# Altium PCB PCB5.PcbDoc (part 9 of 16) (continued)
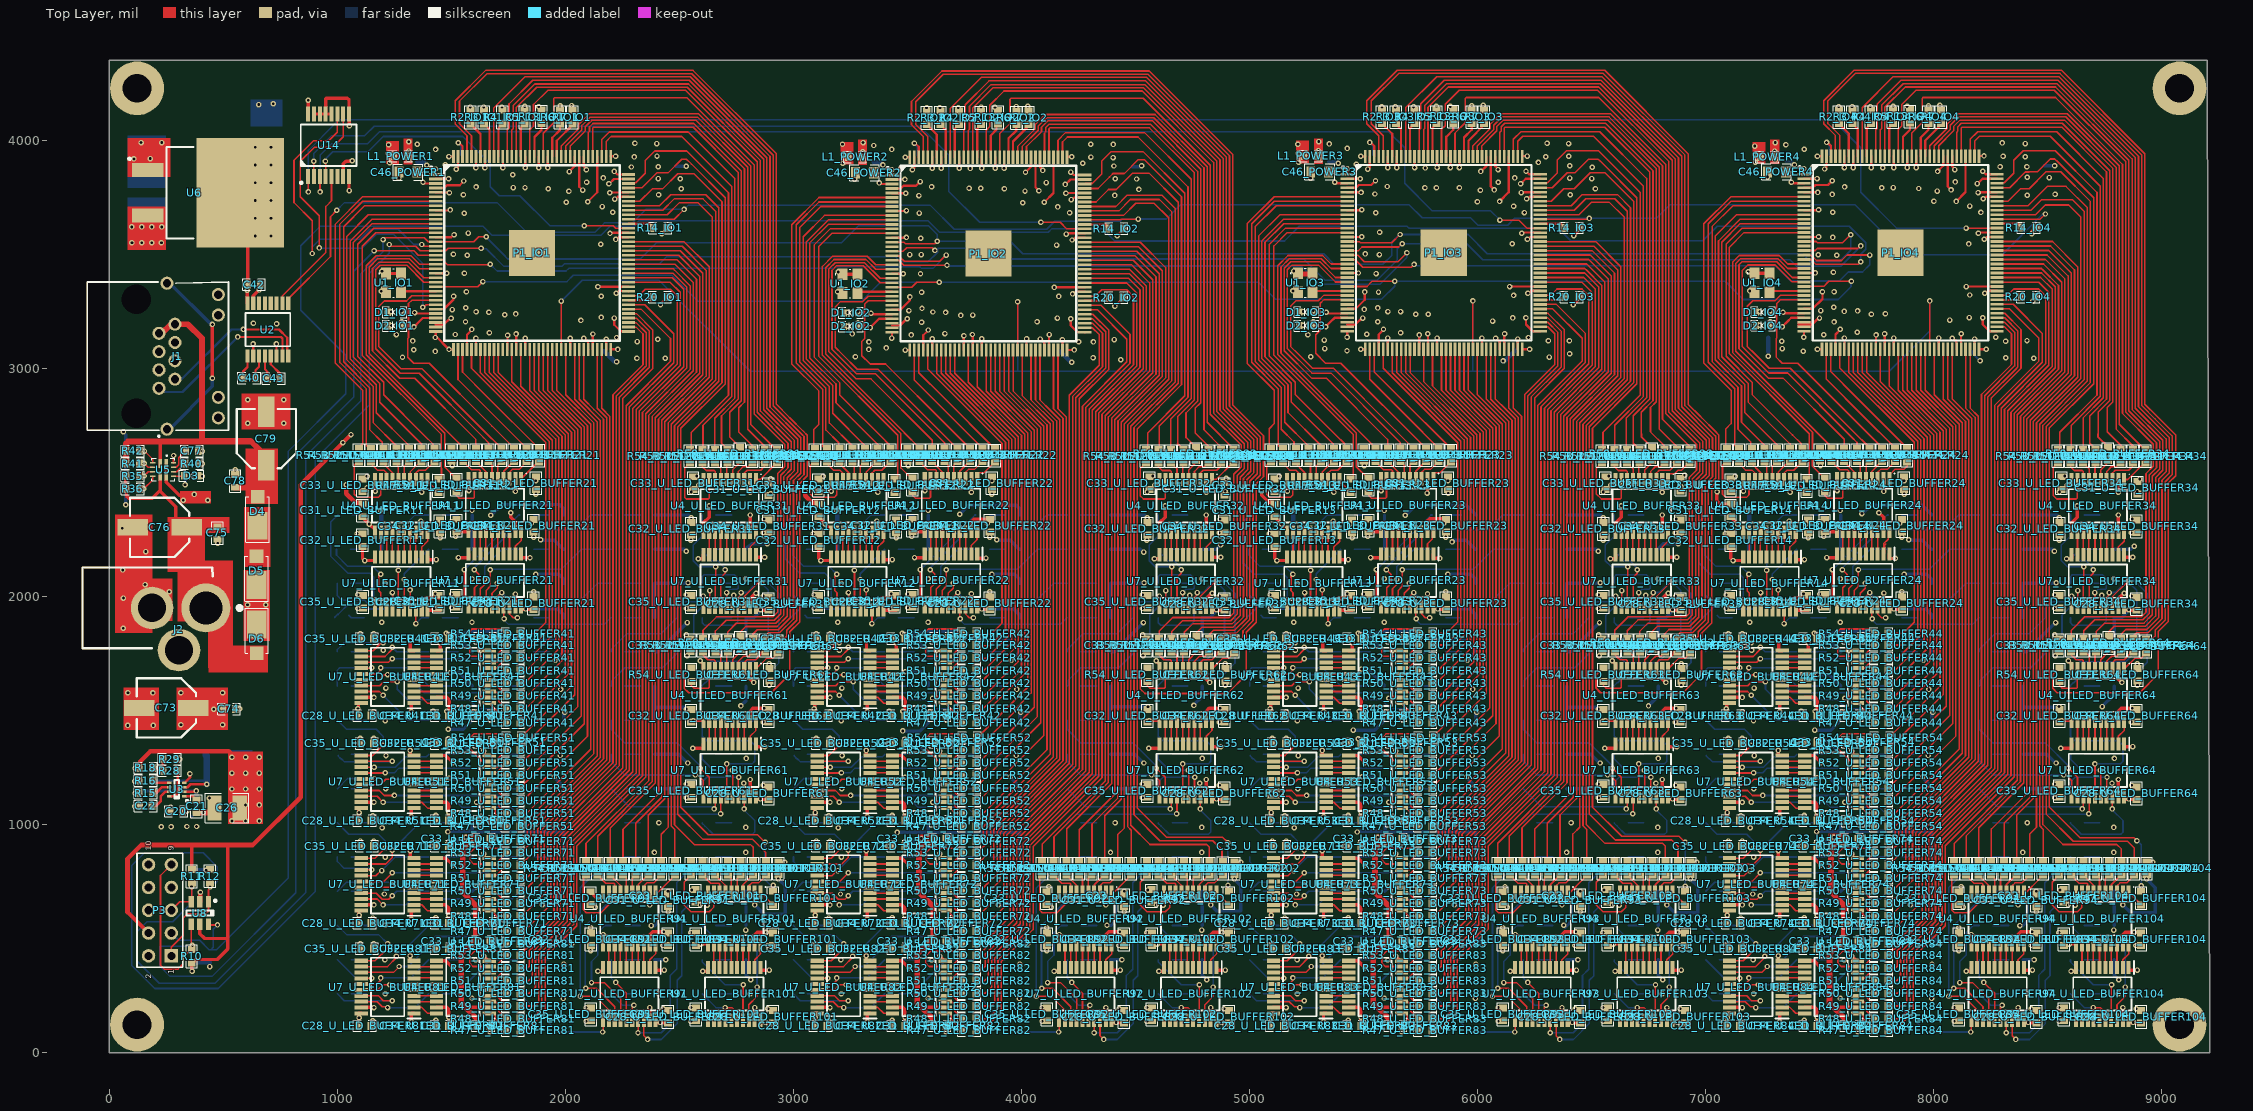
[diagram p0: Top Layer view]
## Nets (pads, with @x,y where several pads share a name; then routed paths per layer and width w, separated by ;. In a path a pad name is that pad's centre, name@x,y a point inside that pad or via, vN(x,y) a via of type N, cw(c..) or ccw(c..) an arc to the next point about the centre after c; other vN are vias at no path point) (continued)
L_OUT4_U_LED_BUFFER43: R22_U_LED_BUFFER43.2 U7_U_LED_BUFFER43.15 | length 335.9
  Top Layer w7: U7_U_LED_BUFFER43.15@5104.96,1659.96 5173.43,1659.96 v1@5190.63,1677.16
  Bottom Layer w7: v1(5190.63,1687.16) 5320.63,1687.16 R22_U_LED_BUFFER43.2@5400.63,1607.16
L_OUT4_U_LED_BUFFER44: R22_U_LED_BUFFER44.2 U7_U_LED_BUFFER44.15 | length 335.9
  Top Layer w7: U7_U_LED_BUFFER44.15@7104.96,1659.96 7173.43,1659.96 v1@7190.63,1677.16
  Bottom Layer w7: v1(7190.63,1687.16) 7320.63,1687.16 R22_U_LED_BUFFER44.2@7400.63,1607.16
L_OUT4_U_LED_BUFFER51: R22_U_LED_BUFFER51.2 U7_U_LED_BUFFER51.15 | length 238.5
  Top Layer w7: U7_U_LED_BUFFER51.15@1104.96,1199.96 1161.37,1199.96 v1(1162.99,1201.57)
  Bottom Layer w7: R22_U_LED_BUFFER51.2@1000.63,1157.16 1045.04,1201.57 v1@1162.03,1201.57
L_OUT4_U_LED_BUFFER52: R22_U_LED_BUFFER52.2 U7_U_LED_BUFFER52.15 | length 238.5
  Top Layer w7: U7_U_LED_BUFFER52.15@3104.96,1199.96 3161.37,1199.96 v1(3162.99,1201.57)
  Bottom Layer w7: R22_U_LED_BUFFER52.2@3000.63,1157.16 3045.04,1201.57 v1@3162.03,1201.57
L_OUT4_U_LED_BUFFER53: R22_U_LED_BUFFER53.2 U7_U_LED_BUFFER53.15 | length 238.5
  Top Layer w7: U7_U_LED_BUFFER53.15@5104.96,1199.96 5161.37,1199.96 v1(5162.99,1201.57)
  Bottom Layer w7: R22_U_LED_BUFFER53.2@5000.63,1157.16 5045.04,1201.57 v1@5162.03,1201.57
L_OUT4_U_LED_BUFFER54: R22_U_LED_BUFFER54.2 U7_U_LED_BUFFER54.15 | length 238.5
  Top Layer w7: U7_U_LED_BUFFER54.15@7104.96,1199.96 7161.37,1199.96 v1(7162.99,1201.57)
  Bottom Layer w7: R22_U_LED_BUFFER54.2@7000.63,1157.16 7045.04,1201.57 v1@7162.03,1201.57
L_OUT4_U_LED_BUFFER61: R22_U_LED_BUFFER61.2 U7_U_LED_BUFFER61.15 | length 662.1
  Top Layer w7: U7_U_LED_BUFFER61.15@2707.84,1121.5 2707.84,1265.38 v1(2707.65,1265.56) 2709.26,1267.16 v1@2710.63,1267.16
  Bottom Layer w7: R22_U_LED_BUFFER61.2@2600.63,1457.16 2600.63,1387.16 2620.63,1367.16 2810.63,1367.16 2830.63,1347.16 2830.63,1277.16 2819.03,1265.56 v1(2707.65,1265.56)
L_OUT4_U_LED_BUFFER62: R22_U_LED_BUFFER62.2 U7_U_LED_BUFFER62.15 | length 662.1
  Top Layer w7: U7_U_LED_BUFFER62.15@4707.84,1121.5 4707.84,1265.38 v1(4707.65,1265.56) 4709.26,1267.16 v1@4710.63,1267.16
  Bottom Layer w7: R22_U_LED_BUFFER62.2@4600.63,1457.16 4600.63,1387.16 4620.63,1367.16 4810.63,1367.16 4830.63,1347.16 4830.63,1277.16 4819.03,1265.56 v1(4707.65,1265.56)
L_OUT4_U_LED_BUFFER63: R22_U_LED_BUFFER63.2 U7_U_LED_BUFFER63.15 | length 662.1
  Top Layer w7: U7_U_LED_BUFFER63.15@6707.84,1121.5 6707.84,1265.38 v1(6707.65,1265.56) 6709.26,1267.16 v1@6710.63,1267.16
  Bottom Layer w7: R22_U_LED_BUFFER63.2@6600.63,1457.16 6600.63,1387.16 6620.63,1367.16 6810.63,1367.16 6830.63,1347.16 6830.63,1277.16 6819.03,1265.56 v1(6707.65,1265.56)
L_OUT4_U_LED_BUFFER64: R22_U_LED_BUFFER64.2 U7_U_LED_BUFFER64.15 | length 662.1
  Top Layer w7: U7_U_LED_BUFFER64.15@8707.84,1121.5 8707.84,1265.38 v1(8707.65,1265.56) 8709.26,1267.16 v1@8710.63,1267.16
  Bottom Layer w7: R22_U_LED_BUFFER64.2@8600.63,1457.16 8600.63,1387.16 8620.63,1367.16 8810.63,1367.16 8830.63,1347.16 8830.63,1277.16 8819.03,1265.56 v1(8707.65,1265.56)
L_OUT4_U_LED_BUFFER71: R22_U_LED_BUFFER71.2 U7_U_LED_BUFFER71.15 | length 739.6
  Top Layer w7: U7_U_LED_BUFFER71.15@1104.96,749.96 1203.43,749.96 v1@1240.63,787.16
  Bottom Layer w7: v1(1240.56,788.4) 1241.31,789.15 1662.62,789.15 1730.63,857.16 R22_U_LED_BUFFER71.2@1800.63,857.16
L_OUT4_U_LED_BUFFER72: R22_U_LED_BUFFER72.2 U7_U_LED_BUFFER72.15 | length 739.6
  Top Layer w7: U7_U_LED_BUFFER72.15@3104.96,749.96 3203.43,749.96 v1@3240.63,787.16
  Bottom Layer w7: v1(3240.56,788.4) 3241.31,789.15 3662.62,789.15 3730.63,857.16 R22_U_LED_BUFFER72.2@3800.63,857.16
L_OUT4_U_LED_BUFFER73: R22_U_LED_BUFFER73.2 U7_U_LED_BUFFER73.15 | length 739.6
  Top Layer w7: U7_U_LED_BUFFER73.15@5104.96,749.96 5203.43,749.96 v1@5240.63,787.16
  Bottom Layer w7: v1(5240.56,788.4) 5241.31,789.15 5662.62,789.15 5730.63,857.16 R22_U_LED_BUFFER73.2@5800.63,857.16
L_OUT4_U_LED_BUFFER74: R22_U_LED_BUFFER74.2 U7_U_LED_BUFFER74.15 | length 739.6
  Top Layer w7: U7_U_LED_BUFFER74.15@7104.96,749.96 7203.43,749.96 v1@7240.63,787.16
  Bottom Layer w7: v1(7240.56,788.4) 7241.31,789.15 7662.62,789.15 7730.63,857.16 R22_U_LED_BUFFER74.2@7800.63,857.16
L_OUT4_U_LED_BUFFER81: R22_U_LED_BUFFER81.2 U7_U_LED_BUFFER81.15 | length 345.9
  Top Layer w7: U7_U_LED_BUFFER81.15@1104.96,299.96 1173.43,299.96 1190.63,317.16 v1(1190.63,327.16)
  Bottom Layer w7: v1(1190.63,327.16) 1320.63,327.16 R22_U_LED_BUFFER81.2@1400.63,407.16
L_OUT4_U_LED_BUFFER82: R22_U_LED_BUFFER82.2 U7_U_LED_BUFFER82.15 | length 345.9
  Top Layer w7: U7_U_LED_BUFFER82.15@3104.96,299.96 3173.43,299.96 3190.63,317.16 v1(3190.63,327.16)
  Bottom Layer w7: v1(3190.63,327.16) 3320.63,327.16 R22_U_LED_BUFFER82.2@3400.63,407.16
L_OUT4_U_LED_BUFFER83: R22_U_LED_BUFFER83.2 U7_U_LED_BUFFER83.15 | length 345.9
  Top Layer w7: U7_U_LED_BUFFER83.15@5104.96,299.96 5173.43,299.96 5190.63,317.16 v1(5190.63,327.16)
  Bottom Layer w7: v1(5190.63,327.16) 5320.63,327.16 R22_U_LED_BUFFER83.2@5400.63,407.16
L_OUT4_U_LED_BUFFER84: R22_U_LED_BUFFER84.2 U7_U_LED_BUFFER84.15 | length 345.9
  Top Layer w7: U7_U_LED_BUFFER84.15@7104.96,299.96 7173.43,299.96 7190.63,317.16 v1(7190.63,327.16)
  Bottom Layer w7: v1(7190.63,327.16) 7320.63,327.16 R22_U_LED_BUFFER84.2@7400.63,407.16
L_OUT4_U_LED_BUFFER91: R22_U_LED_BUFFER91.2 U7_U_LED_BUFFER91.15 | length 293.5
  Top Layer w7: v1(2220.63,307.16) 2267.84,259.96 U7_U_LED_BUFFER91.15@2267.84,141.5
  Bottom Layer w7: R22_U_LED_BUFFER91.2@2200.63,407.16 2200.63,327.16 v1(2220.63,307.16)
L_OUT4_U_LED_BUFFER92: R22_U_LED_BUFFER92.2 U7_U_LED_BUFFER92.15 | length 293.5
  Top Layer w7: v1(4220.63,307.16) 4267.84,259.96 U7_U_LED_BUFFER92.15@4267.84,141.5
  Bottom Layer w7: R22_U_LED_BUFFER92.2@4200.63,407.16 4200.63,327.16 v1(4220.63,307.16)
L_OUT4_U_LED_BUFFER93: R22_U_LED_BUFFER93.2 U7_U_LED_BUFFER93.15 | length 293.5
  Top Layer w7: v1(6220.63,307.16) 6267.84,259.96 U7_U_LED_BUFFER93.15@6267.84,141.5
  Bottom Layer w7: R22_U_LED_BUFFER93.2@6200.63,407.16 6200.63,327.16 v1(6220.63,307.16)
L_OUT4_U_LED_BUFFER94: R22_U_LED_BUFFER94.2 U7_U_LED_BUFFER94.15 | length 293.5
  Top Layer w7: v1(8220.63,307.16) 8267.84,259.96 U7_U_LED_BUFFER94.15@8267.84,141.5
  Bottom Layer w7: R22_U_LED_BUFFER94.2@8200.63,407.16 8200.63,327.16 v1(8220.63,307.16)
L_OUT4_U_LED_BUFFER101: U7_U_LED_BUFFER101.15
L_OUT4_U_LED_BUFFER102: U7_U_LED_BUFFER102.15
L_OUT4_U_LED_BUFFER103: U7_U_LED_BUFFER103.15
L_OUT4_U_LED_BUFFER104: U7_U_LED_BUFFER104.15
L_OUT5_U_LED_BUFFER11: R26_U_LED_BUFFER11.2 U7_U_LED_BUFFER11.14 | length 421.3
  Top Layer w7: v1(1241.59,2016.95) 1242.3,2016.25 U7_U_LED_BUFFER11.14@1242.3,1941.81
  Bottom Layer w7: R26_U_LED_BUFFER11.2@989.33,1906.72 989.33,1909.22 1000.83,1920.72 1003.33,1920.72 1052.28,1969.66 1099.95,1969.66 1113.13,1956.48 1124.84,1944.77 1213.57,1944.77 1241.59,1972.8 v1(1241.59,2016.95)
L_OUT5_U_LED_BUFFER12: R26_U_LED_BUFFER12.2 U7_U_LED_BUFFER12.14 | length 421.3
  Top Layer w7: v1(3241.59,2016.95) 3242.3,2016.25 U7_U_LED_BUFFER12.14@3242.3,1941.81
  Bottom Layer w7: R26_U_LED_BUFFER12.2@2989.33,1906.72 2989.33,1909.22 3000.83,1920.72 3003.33,1920.72 3052.28,1969.66 3099.95,1969.66 3113.13,1956.48 3124.84,1944.77 3213.57,1944.77 3241.59,1972.8 v1(3241.59,2016.95)
L_OUT5_U_LED_BUFFER13: R26_U_LED_BUFFER13.2 U7_U_LED_BUFFER13.14 | length 421.3
  Top Layer w7: v1(5241.59,2016.95) 5242.3,2016.25 U7_U_LED_BUFFER13.14@5242.3,1941.81
  Bottom Layer w7: R26_U_LED_BUFFER13.2@4989.33,1906.72 4989.33,1909.22 5000.83,1920.72 5003.33,1920.72 5052.28,1969.66 5099.95,1969.66 5113.13,1956.48 5124.84,1944.77 5213.57,1944.77 5241.59,1972.8 v1(5241.59,2016.95)
L_OUT5_U_LED_BUFFER14: R26_U_LED_BUFFER14.2 U7_U_LED_BUFFER14.14 | length 421.3
  Top Layer w7: v1(7241.59,2016.95) 7242.3,2016.25 U7_U_LED_BUFFER14.14@7242.3,1941.81
  Bottom Layer w7: R26_U_LED_BUFFER14.2@6989.33,1906.72 6989.33,1909.22 7000.83,1920.72 7003.33,1920.72 7052.28,1969.66 7099.95,1969.66 7113.13,1956.48 7124.84,1944.77 7213.57,1944.77 7241.59,1972.8 v1(7241.59,2016.95)
L_OUT5_U_LED_BUFFER21: R26_U_LED_BUFFER21.2 U7_U_LED_BUFFER21.14 | length 737
  Top Layer w7: U7_U_LED_BUFFER21.14@1652.84,1954.83 1652.84,2026.32 1670.63,2044.11 v1(1670.63,2117.16)
  Bottom Layer w7: v1(1670.63,2117.16) 1673.5,2120.03 1983.5,2120.03 2070.63,2207.16 R26_U_LED_BUFFER21.2@2200.63,2207.16
L_OUT5_U_LED_BUFFER22: R26_U_LED_BUFFER22.2 U7_U_LED_BUFFER22.14 | length 737
  Top Layer w7: U7_U_LED_BUFFER22.14@3652.84,1954.83 3652.84,2026.32 3670.63,2044.11 v1(3670.63,2117.16)
  Bottom Layer w7: v1(3670.63,2117.16) 3673.5,2120.03 3983.5,2120.03 4070.63,2207.16 R26_U_LED_BUFFER22.2@4200.63,2207.16
L_OUT5_U_LED_BUFFER23: R26_U_LED_BUFFER23.2 U7_U_LED_BUFFER23.14 | length 737
  Top Layer w7: U7_U_LED_BUFFER23.14@5652.84,1954.83 5652.84,2026.32 5670.63,2044.11 v1(5670.63,2117.16)
  Bottom Layer w7: v1(5670.63,2117.16) 5673.5,2120.03 5983.5,2120.03 6070.63,2207.16 R26_U_LED_BUFFER23.2@6200.63,2207.16
L_OUT5_U_LED_BUFFER24: R26_U_LED_BUFFER24.2 U7_U_LED_BUFFER24.14 | length 737
  Top Layer w7: U7_U_LED_BUFFER24.14@7652.84,1954.83 7652.84,2026.32 7670.63,2044.11 v1(7670.63,2117.16)
  Bottom Layer w7: v1(7670.63,2117.16) 7673.5,2120.03 7983.5,2120.03 8070.63,2207.16 R26_U_LED_BUFFER24.2@8200.63,2207.16
L_OUT5_U_LED_BUFFER31: R26_U_LED_BUFFER31.2 U7_U_LED_BUFFER31.14 | length 319.5
  Top Layer w7: U7_U_LED_BUFFER31.14@2682.25,1951.5 2682.25,2083.19 2700.63,2101.58 v1(2700.63,2117.16)
  Bottom Layer w7: R26_U_LED_BUFFER31.2@2600.63,2207.16 2601.67,2206.13 2601.67,2197.85 2642.36,2157.16 2667.58,2157.16 2700.63,2124.12 v1(2700.63,2117.16)
L_OUT5_U_LED_BUFFER32: R26_U_LED_BUFFER32.2 U7_U_LED_BUFFER32.14 | length 319.5
  Top Layer w7: U7_U_LED_BUFFER32.14@4682.25,1951.5 4682.25,2083.19 4700.63,2101.58 v1(4700.63,2117.16)
  Bottom Layer w7: R26_U_LED_BUFFER32.2@4600.63,2207.16 4601.67,2206.13 4601.67,2197.85 4642.36,2157.16 4667.58,2157.16 4700.63,2124.12 v1(4700.63,2117.16)
L_OUT5_U_LED_BUFFER33: R26_U_LED_BUFFER33.2 U7_U_LED_BUFFER33.14 | length 319.5
  Top Layer w7: U7_U_LED_BUFFER33.14@6682.25,1951.5 6682.25,2083.19 6700.63,2101.58 v1(6700.63,2117.16)
  Bottom Layer w7: R26_U_LED_BUFFER33.2@6600.63,2207.16 6601.67,2206.13 6601.67,2197.85 6642.36,2157.16 6667.58,2157.16 6700.63,2124.12 v1(6700.63,2117.16)
L_OUT5_U_LED_BUFFER34: R26_U_LED_BUFFER34.2 U7_U_LED_BUFFER34.14 | length 319.5
  Top Layer w7: U7_U_LED_BUFFER34.14@8682.25,1951.5 8682.25,2083.19 8700.63,2101.58 v1(8700.63,2117.16)
  Bottom Layer w7: R26_U_LED_BUFFER34.2@8600.63,2207.16 8601.67,2206.13 8601.67,2197.85 8642.36,2157.16 8667.58,2157.16 8700.63,2124.12 v1(8700.63,2117.16)
L_OUT5_U_LED_BUFFER41: R26_U_LED_BUFFER41.2 U7_U_LED_BUFFER41.14 | length 262.8
  Top Layer w7: U7_U_LED_BUFFER41.14@1104.96,1685.55 1143.11,1685.55 v1@1143.5,1685.16
  Bottom Layer w7: R26_U_LED_BUFFER41.2@1000.63,1607.16 1000.63,1677.16 1010.63,1687.16 v1(1150.63,1687.16)
L_OUT5_U_LED_BUFFER42: R26_U_LED_BUFFER42.2 U7_U_LED_BUFFER42.14 | length 262.8
  Top Layer w7: U7_U_LED_BUFFER42.14@3104.96,1685.55 3143.11,1685.55 v1@3143.5,1685.16
  Bottom Layer w7: R26_U_LED_BUFFER42.2@3000.63,1607.16 3000.63,1677.16 3010.63,1687.16 v1(3150.63,1687.16)
L_OUT5_U_LED_BUFFER43: R26_U_LED_BUFFER43.2 U7_U_LED_BUFFER43.14 | length 262.8
  Top Layer w7: U7_U_LED_BUFFER43.14@5104.96,1685.55 5143.11,1685.55 v1@5143.5,1685.16
  Bottom Layer w7: R26_U_LED_BUFFER43.2@5000.63,1607.16 5000.63,1677.16 5010.63,1687.16 v1(5150.63,1687.16)
L_OUT5_U_LED_BUFFER44: R26_U_LED_BUFFER44.2 U7_U_LED_BUFFER44.14 | length 262.8
  Top Layer w7: U7_U_LED_BUFFER44.14@7104.96,1685.55 7143.11,1685.55 v1@7143.5,1685.16
  Bottom Layer w7: R26_U_LED_BUFFER44.2@7000.63,1607.16 7000.63,1677.16 7010.63,1687.16 v1(7150.63,1687.16)
L_OUT5_U_LED_BUFFER51: R26_U_LED_BUFFER51.2 U7_U_LED_BUFFER51.14 | length 729.5
  Top Layer w7: U7_U_LED_BUFFER51.14@1104.96,1225.55 1209.02,1225.55 v1(1210.63,1227.16)
  Bottom Layer w7: v1(1210.63,1227.16) 1250.43,1227.16 1270.43,1247.16 1700.63,1247.16 1760.63,1307.16 R26_U_LED_BUFFER51.2@1800.63,1307.16
L_OUT5_U_LED_BUFFER52: R26_U_LED_BUFFER52.2 U7_U_LED_BUFFER52.14 | length 729.5
  Top Layer w7: U7_U_LED_BUFFER52.14@3104.96,1225.55 3209.02,1225.55 v1(3210.63,1227.16)
  Bottom Layer w7: v1(3210.63,1227.16) 3250.43,1227.16 3270.43,1247.16 3700.63,1247.16 3760.63,1307.16 R26_U_LED_BUFFER52.2@3800.63,1307.16
L_OUT5_U_LED_BUFFER53: R26_U_LED_BUFFER53.2 U7_U_LED_BUFFER53.14 | length 729.5
  Top Layer w7: U7_U_LED_BUFFER53.14@5104.96,1225.55 5209.02,1225.55 v1(5210.63,1227.16)
  Bottom Layer w7: v1(5210.63,1227.16) 5250.43,1227.16 5270.43,1247.16 5700.63,1247.16 5760.63,1307.16 R26_U_LED_BUFFER53.2@5800.63,1307.16
L_OUT5_U_LED_BUFFER54: R26_U_LED_BUFFER54.2 U7_U_LED_BUFFER54.14 | length 729.5
  Top Layer w7: U7_U_LED_BUFFER54.14@7104.96,1225.55 7209.02,1225.55 v1(7210.63,1227.16)
  Bottom Layer w7: v1(7210.63,1227.16) 7250.43,1227.16 7270.43,1247.16 7700.63,1247.16 7760.63,1307.16 R26_U_LED_BUFFER54.2@7800.63,1307.16
L_OUT5_U_LED_BUFFER61: R26_U_LED_BUFFER61.2 U7_U_LED_BUFFER61.14 | length 572.5
  Top Layer w7: v1(2680.63,1047.16) 2682.25,1047.16 U7_U_LED_BUFFER61.14@2682.25,1121.5
  Bottom Layer w7: R26_U_LED_BUFFER61.2@2200.63,1007.16 2238.96,1045.49 2642.97,1045.49 2661.61,1045.49 2678.96,1045.49 v1(2680.63,1047.16)
L_OUT5_U_LED_BUFFER62: R26_U_LED_BUFFER62.2 U7_U_LED_BUFFER62.14 | length 572.5
  Top Layer w7: v1(4680.63,1047.16) 4682.25,1047.16 U7_U_LED_BUFFER62.14@4682.25,1121.5
  Bottom Layer w7: R26_U_LED_BUFFER62.2@4200.63,1007.16 4238.96,1045.49 4642.97,1045.49 4661.61,1045.49 4678.96,1045.49 v1(4680.63,1047.16)
L_OUT5_U_LED_BUFFER63: R26_U_LED_BUFFER63.2 U7_U_LED_BUFFER63.14 | length 572.5
  Top Layer w7: v1(6680.63,1047.16) 6682.25,1047.16 U7_U_LED_BUFFER63.14@6682.25,1121.5
  Bottom Layer w7: R26_U_LED_BUFFER63.2@6200.63,1007.16 6238.96,1045.49 6642.97,1045.49 6661.61,1045.49 6678.96,1045.49 v1(6680.63,1047.16)
L_OUT5_U_LED_BUFFER64: R26_U_LED_BUFFER64.2 U7_U_LED_BUFFER64.14 | length 572.5
  Top Layer w7: v1(8680.63,1047.16) 8682.25,1047.16 U7_U_LED_BUFFER64.14@8682.25,1121.5
  Bottom Layer w7: R26_U_LED_BUFFER64.2@8200.63,1007.16 8238.96,1045.49 8642.97,1045.49 8661.61,1045.49 8678.96,1045.49 v1(8680.63,1047.16)
L_OUT5_U_LED_BUFFER71: R26_U_LED_BUFFER71.2 U7_U_LED_BUFFER71.14 | length 329.5
  Top Layer w7: U7_U_LED_BUFFER71.14@1104.96,775.55 1169.02,775.55 1191.3,797.83 v1(1194.39,797.83)
  Bottom Layer w7: v1(1194.39,797.83) 1253.72,857.16 R26_U_LED_BUFFER71.2@1400.63,857.16
L_OUT5_U_LED_BUFFER72: R26_U_LED_BUFFER72.2 U7_U_LED_BUFFER72.14 | length 329.5
  Top Layer w7: U7_U_LED_BUFFER72.14@3104.96,775.55 3169.02,775.55 3191.3,797.83 v1(3194.39,797.83)
  Bottom Layer w7: v1(3194.39,797.83) 3253.72,857.16 R26_U_LED_BUFFER72.2@3400.63,857.16
L_OUT5_U_LED_BUFFER73: R26_U_LED_BUFFER73.2 U7_U_LED_BUFFER73.14 | length 329.5
  Top Layer w7: U7_U_LED_BUFFER73.14@5104.96,775.55 5169.02,775.55 5191.3,797.83 v1(5194.39,797.83)
  Bottom Layer w7: v1(5194.39,797.83) 5253.72,857.16 R26_U_LED_BUFFER73.2@5400.63,857.16
L_OUT5_U_LED_BUFFER74: R26_U_LED_BUFFER74.2 U7_U_LED_BUFFER74.14 | length 329.5
  Top Layer w7: U7_U_LED_BUFFER74.14@7104.96,775.55 7169.02,775.55 7191.3,797.83 v1(7194.39,797.83)
  Bottom Layer w7: v1(7194.39,797.83) 7253.72,857.16 R26_U_LED_BUFFER74.2@7400.63,857.16
L_OUT5_U_LED_BUFFER81: R26_U_LED_BUFFER81.2 U7_U_LED_BUFFER81.14 | length 229.5
  Top Layer w7: U7_U_LED_BUFFER81.14@1104.96,325.55 1149.02,325.55 v1@1150.63,327.16
  Bottom Layer w7: R26_U_LED_BUFFER81.2@1000.63,407.16 1081.83,325.97 v1(1150.19,325.97)
L_OUT5_U_LED_BUFFER82: R26_U_LED_BUFFER82.2 U7_U_LED_BUFFER82.14 | length 229.5
  Top Layer w7: U7_U_LED_BUFFER82.14@3104.96,325.55 3149.02,325.55 v1@3150.63,327.16
  Bottom Layer w7: R26_U_LED_BUFFER82.2@3000.63,407.16 3081.83,325.97 v1(3150.19,325.97)
L_OUT5_U_LED_BUFFER83: R26_U_LED_BUFFER83.2 U7_U_LED_BUFFER83.14 | length 229.5
  Top Layer w7: U7_U_LED_BUFFER83.14@5104.96,325.55 5149.02,325.55 v1@5150.63,327.16
  Bottom Layer w7: R26_U_LED_BUFFER83.2@5000.63,407.16 5081.83,325.97 v1(5150.19,325.97)
L_OUT5_U_LED_BUFFER84: R26_U_LED_BUFFER84.2 U7_U_LED_BUFFER84.14 | length 229.5
  Top Layer w7: U7_U_LED_BUFFER84.14@7104.96,325.55 7149.02,325.55 v1@7150.63,327.16
  Bottom Layer w7: R26_U_LED_BUFFER84.2@7000.63,407.16 7081.83,325.97 v1(7150.19,325.97)
L_OUT5_U_LED_BUFFER91: R26_U_LED_BUFFER91.2 U7_U_LED_BUFFER91.14 | length 553
  Top Layer w7: v1(2114.68,306.58) 2171.21,306.58 2242.25,235.55 U7_U_LED_BUFFER91.14@2242.25,141.5
  Bottom Layer w7: v1(2114.68,306.58) 2114.68,398.87 2142.98,427.16 2142.98,526.44 2173.7,557.16 R26_U_LED_BUFFER91.2@2200.63,557.16
L_OUT5_U_LED_BUFFER92: R26_U_LED_BUFFER92.2 U7_U_LED_BUFFER92.14 | length 553
  Top Layer w7: v1(4114.68,306.58) 4171.21,306.58 4242.25,235.55 U7_U_LED_BUFFER92.14@4242.25,141.5
  Bottom Layer w7: v1(4114.68,306.58) 4114.68,398.87 4142.98,427.16 4142.98,526.44 4173.7,557.16 R26_U_LED_BUFFER92.2@4200.63,557.16
L_OUT5_U_LED_BUFFER93: R26_U_LED_BUFFER93.2 U7_U_LED_BUFFER93.14 | length 553
  Top Layer w7: v1(6114.68,306.58) 6171.21,306.58 6242.25,235.55 U7_U_LED_BUFFER93.14@6242.25,141.5
  Bottom Layer w7: v1(6114.68,306.58) 6114.68,398.87 6142.98,427.16 6142.98,526.44 6173.7,557.16 R26_U_LED_BUFFER93.2@6200.63,557.16
L_OUT5_U_LED_BUFFER94: R26_U_LED_BUFFER94.2 U7_U_LED_BUFFER94.14 | length 553
  Top Layer w7: v1(8114.68,306.58) 8171.21,306.58 8242.25,235.55 U7_U_LED_BUFFER94.14@8242.25,141.5
  Bottom Layer w7: v1(8114.68,306.58) 8114.68,398.87 8142.98,427.16 8142.98,526.44 8173.7,557.16 R26_U_LED_BUFFER94.2@8200.63,557.16
L_OUT5_U_LED_BUFFER101: U7_U_LED_BUFFER101.14
L_OUT5_U_LED_BUFFER102: U7_U_LED_BUFFER102.14
L_OUT5_U_LED_BUFFER103: U7_U_LED_BUFFER103.14
L_OUT5_U_LED_BUFFER104: U7_U_LED_BUFFER104.14
L_OUT6_U_LED_BUFFER11: R27_U_LED_BUFFER11.2 U7_U_LED_BUFFER11.13 | length 342
  Top Layer w7: U7_U_LED_BUFFER11.13@1216.68,1941.84 v1@1216.68,1985.23 ; v1(1216.66,1985.26) v1@1216.71,1985.26
  Bottom Layer w7: R27_U_LED_BUFFER11.2@999.14,2057.16 999.14,2005.72 1021.19,1983.66 1119.33,1983.66 1141.67,1961.32 1194.79,1961.32 1216.66,1983.19 v1(1216.66,1985.26)
L_OUT6_U_LED_BUFFER12: R27_U_LED_BUFFER12.2 U7_U_LED_BUFFER12.13 | length 342
  Top Layer w7: U7_U_LED_BUFFER12.13@3216.68,1941.84 v1@3216.68,1985.23 ; v1(3216.66,1985.26) v1@3216.71,1985.26
  Bottom Layer w7: R27_U_LED_BUFFER12.2@2999.14,2057.16 2999.14,2005.72 3021.19,1983.66 3119.33,1983.66 3141.67,1961.32 3194.79,1961.32 3216.66,1983.19 v1(3216.66,1985.26)
L_OUT6_U_LED_BUFFER13: R27_U_LED_BUFFER13.2 U7_U_LED_BUFFER13.13 | length 342
  Top Layer w7: U7_U_LED_BUFFER13.13@5216.68,1941.84 v1@5216.68,1985.23 ; v1(5216.66,1985.26) v1@5216.71,1985.26
  Bottom Layer w7: R27_U_LED_BUFFER13.2@4999.14,2057.16 4999.14,2005.72 5021.19,1983.66 5119.33,1983.66 5141.67,1961.32 5194.79,1961.32 5216.66,1983.19 v1(5216.66,1985.26)
L_OUT6_U_LED_BUFFER14: R27_U_LED_BUFFER14.2 U7_U_LED_BUFFER14.13 | length 342
  Top Layer w7: U7_U_LED_BUFFER14.13@7216.68,1941.84 v1@7216.68,1985.23 ; v1(7216.66,1985.26) v1@7216.71,1985.26
  Bottom Layer w7: R27_U_LED_BUFFER14.2@6999.14,2057.16 6999.14,2005.72 7021.19,1983.66 7119.33,1983.66 7141.67,1961.32 7194.79,1961.32 7216.66,1983.19 v1(7216.66,1985.26)
L_OUT6_U_LED_BUFFER21: R27_U_LED_BUFFER21.2 U7_U_LED_BUFFER21.13 | length 370.2
  Top Layer w7: U7_U_LED_BUFFER21.13@1627.25,1954.83 1627.25,2033.78 1646.12,2052.65 v1(1646.12,2074.87)
  Bottom Layer w7: v1(1646.12,2074.87) 1646.12,2131.33 1721.96,2207.16 R27_U_LED_BUFFER21.2@1800.63,2207.16
L_OUT6_U_LED_BUFFER22: R27_U_LED_BUFFER22.2 U7_U_LED_BUFFER22.13 | length 370.2
  Top Layer w7: U7_U_LED_BUFFER22.13@3627.25,1954.83 3627.25,2033.78 3646.12,2052.65 v1(3646.12,2074.87)
  Bottom Layer w7: v1(3646.12,2074.87) 3646.12,2131.33 3721.96,2207.16 R27_U_LED_BUFFER22.2@3800.63,2207.16
L_OUT6_U_LED_BUFFER23: R27_U_LED_BUFFER23.2 U7_U_LED_BUFFER23.13 | length 370.2
  Top Layer w7: U7_U_LED_BUFFER23.13@5627.25,1954.83 5627.25,2033.78 5646.12,2052.65 v1(5646.12,2074.87)
  Bottom Layer w7: v1(5646.12,2074.87) 5646.12,2131.33 5721.96,2207.16 R27_U_LED_BUFFER23.2@5800.63,2207.16
L_OUT6_U_LED_BUFFER24: R27_U_LED_BUFFER24.2 U7_U_LED_BUFFER24.13 | length 370.2
  Top Layer w7: U7_U_LED_BUFFER24.13@7627.25,1954.83 7627.25,2033.78 7646.12,2052.65 v1(7646.12,2074.87)
  Bottom Layer w7: v1(7646.12,2074.87) 7646.12,2131.33 7721.96,2207.16 R27_U_LED_BUFFER24.2@7800.63,2207.16
L_OUT6_U_LED_BUFFER31: R27_U_LED_BUFFER31.2 U7_U_LED_BUFFER31.13 | length 505.8
  Top Layer w7: U7_U_LED_BUFFER31.13@2656.66,1951.5 2656.66,2049.2 2658.93,2051.48 v1(2658.93,2129.72)
  Bottom Layer w7: R27_U_LED_BUFFER31.2@2600.63,2357.16 2600.63,2265.34 2560.66,2225.37 2560.66,2156.46 2587.4,2129.72 v1(2658.93,2129.72)
L_OUT6_U_LED_BUFFER32: R27_U_LED_BUFFER32.2 U7_U_LED_BUFFER32.13 | length 505.8
  Top Layer w7: U7_U_LED_BUFFER32.13@4656.66,1951.5 4656.66,2049.2 4658.93,2051.48 v1(4658.93,2129.72)
  Bottom Layer w7: R27_U_LED_BUFFER32.2@4600.63,2357.16 4600.63,2265.34 4560.66,2225.37 4560.66,2156.46 4587.4,2129.72 v1(4658.93,2129.72)
L_OUT6_U_LED_BUFFER33: R27_U_LED_BUFFER33.2 U7_U_LED_BUFFER33.13 | length 505.8
  Top Layer w7: U7_U_LED_BUFFER33.13@6656.66,1951.5 6656.66,2049.2 6658.93,2051.48 v1(6658.93,2129.72)
  Bottom Layer w7: R27_U_LED_BUFFER33.2@6600.63,2357.16 6600.63,2265.34 6560.66,2225.37 6560.66,2156.46 6587.4,2129.72 v1(6658.93,2129.72)
L_OUT6_U_LED_BUFFER34: R27_U_LED_BUFFER34.2 U7_U_LED_BUFFER34.13 | length 505.8
  Top Layer w7: U7_U_LED_BUFFER34.13@8656.66,1951.5 8656.66,2049.2 8658.93,2051.48 v1(8658.93,2129.72)
  Bottom Layer w7: R27_U_LED_BUFFER34.2@8600.63,2357.16 8600.63,2265.34 8560.66,2225.37 8560.66,2156.46 8587.4,2129.72 v1(8658.93,2129.72)
L_OUT6_U_LED_BUFFER41: R27_U_LED_BUFFER41.2 U7_U_LED_BUFFER41.13 | length 714.7
  Top Layer w7: U7_U_LED_BUFFER41.13@1104.96,1711.14 1224.61,1711.14 v1(1240.63,1727.16)
  Bottom Layer w7: v1(1240.63,1727.16) 1740.63,1727.16 1770.63,1757.16 R27_U_LED_BUFFER41.2@1800.63,1757.16
L_OUT6_U_LED_BUFFER42: R27_U_LED_BUFFER42.2 U7_U_LED_BUFFER42.13 | length 714.7
  Top Layer w7: U7_U_LED_BUFFER42.13@3104.96,1711.14 3224.61,1711.14 v1(3240.63,1727.16)
  Bottom Layer w7: v1(3240.63,1727.16) 3740.63,1727.16 3770.63,1757.16 R27_U_LED_BUFFER42.2@3800.63,1757.16
L_OUT6_U_LED_BUFFER43: R27_U_LED_BUFFER43.2 U7_U_LED_BUFFER43.13 | length 714.7
  Top Layer w7: U7_U_LED_BUFFER43.13@5104.96,1711.14 5224.61,1711.14 v1(5240.63,1727.16)
  Bottom Layer w7: v1(5240.63,1727.16) 5740.63,1727.16 5770.63,1757.16 R27_U_LED_BUFFER43.2@5800.63,1757.16
L_OUT6_U_LED_BUFFER44: R27_U_LED_BUFFER44.2 U7_U_LED_BUFFER44.13 | length 714.7
  Top Layer w7: U7_U_LED_BUFFER44.13@7104.96,1711.14 7224.61,1711.14 v1(7240.63,1727.16)
  Bottom Layer w7: v1(7240.63,1727.16) 7740.63,1727.16 7770.63,1757.16 R27_U_LED_BUFFER44.2@7800.63,1757.16
L_OUT6_U_LED_BUFFER51: R27_U_LED_BUFFER51.2 U7_U_LED_BUFFER51.13 | length 319.2
  Top Layer w7: U7_U_LED_BUFFER51.13@1104.96,1251.14 1160.93,1251.14 v1(1161.31,1250.76)
  Bottom Layer w7: v1(1161.31,1250.76) 1254.23,1250.76 1300.63,1297.16 1390.63,1297.16 R27_U_LED_BUFFER51.2@1400.63,1307.16
L_OUT6_U_LED_BUFFER52: R27_U_LED_BUFFER52.2 U7_U_LED_BUFFER52.13 | length 319.2
  Top Layer w7: U7_U_LED_BUFFER52.13@3104.96,1251.14 3160.93,1251.14 v1(3161.31,1250.76)
  Bottom Layer w7: v1(3161.31,1250.76) 3254.23,1250.76 3300.63,1297.16 3390.63,1297.16 R27_U_LED_BUFFER52.2@3400.63,1307.16
L_OUT6_U_LED_BUFFER53: R27_U_LED_BUFFER53.2 U7_U_LED_BUFFER53.13 | length 319.2
  Top Layer w7: U7_U_LED_BUFFER53.13@5104.96,1251.14 5160.93,1251.14 v1(5161.31,1250.76)
  Bottom Layer w7: v1(5161.31,1250.76) 5254.23,1250.76 5300.63,1297.16 5390.63,1297.16 R27_U_LED_BUFFER53.2@5400.63,1307.16
L_OUT6_U_LED_BUFFER54: R27_U_LED_BUFFER54.2 U7_U_LED_BUFFER54.13 | length 319.2
  Top Layer w7: U7_U_LED_BUFFER54.13@7104.96,1251.14 7160.93,1251.14 v1(7161.31,1250.76)
  Bottom Layer w7: v1(7161.31,1250.76) 7254.23,1250.76 7300.63,1297.16 7390.63,1297.16 R27_U_LED_BUFFER54.2@7400.63,1307.16
L_OUT6_U_LED_BUFFER61: R27_U_LED_BUFFER61.2 U7_U_LED_BUFFER61.13 | length 543.9
  Top Layer w7: v1(2652.29,1067.99) 2656.66,1072.36 U7_U_LED_BUFFER61.13@2656.66,1121.5
  Bottom Layer w7: R27_U_LED_BUFFER61.2@2200.63,1157.16 2280.63,1077.16 2643.12,1077.16 v1(2652.29,1067.99)
L_OUT6_U_LED_BUFFER62: R27_U_LED_BUFFER62.2 U7_U_LED_BUFFER62.13 | length 543.9
  Top Layer w7: v1(4652.29,1067.99) 4656.66,1072.36 U7_U_LED_BUFFER62.13@4656.66,1121.5
  Bottom Layer w7: R27_U_LED_BUFFER62.2@4200.63,1157.16 4280.63,1077.16 4643.12,1077.16 v1(4652.29,1067.99)
L_OUT6_U_LED_BUFFER63: R27_U_LED_BUFFER63.2 U7_U_LED_BUFFER63.13 | length 543.9
  Top Layer w7: v1(6652.29,1067.99) 6656.66,1072.36 U7_U_LED_BUFFER63.13@6656.66,1121.5
  Bottom Layer w7: R27_U_LED_BUFFER63.2@6200.63,1157.16 6280.63,1077.16 6643.12,1077.16 v1(6652.29,1067.99)
L_OUT6_U_LED_BUFFER64: R27_U_LED_BUFFER64.2 U7_U_LED_BUFFER64.13 | length 543.9
  Top Layer w7: v1(8652.29,1067.99) 8656.66,1072.36 U7_U_LED_BUFFER64.13@8656.66,1121.5
  Bottom Layer w7: R27_U_LED_BUFFER64.2@8200.63,1157.16 8280.63,1077.16 8643.12,1077.16 v1(8652.29,1067.99)
L_OUT6_U_LED_BUFFER71: R27_U_LED_BUFFER71.2 U7_U_LED_BUFFER71.13 | length 237.3
  Top Layer w7: U7_U_LED_BUFFER71.13@1104.96,801.14 1147.66,801.14 1149.65,803.13 1150.63,802.15 v1@1150.63,797.16
  Bottom Layer w7: R27_U_LED_BUFFER71.2@1000.63,857.16 1000.63,837.16 1030.63,807.16 1146.21,807.16 v1(1151.42,801.95)
L_OUT6_U_LED_BUFFER72: R27_U_LED_BUFFER72.2 U7_U_LED_BUFFER72.13 | length 237.3
  Top Layer w7: U7_U_LED_BUFFER72.13@3104.96,801.14 3147.66,801.14 3149.65,803.13 3150.63,802.15 v1@3150.63,797.16
  Bottom Layer w7: R27_U_LED_BUFFER72.2@3000.63,857.16 3000.63,837.16 3030.63,807.16 3146.21,807.16 v1(3151.42,801.95)
L_OUT6_U_LED_BUFFER73: R27_U_LED_BUFFER73.2 U7_U_LED_BUFFER73.13 | length 237.3
  Top Layer w7: U7_U_LED_BUFFER73.13@5104.96,801.14 5147.66,801.14 5149.65,803.13 5150.63,802.15 v1@5150.63,797.16
  Bottom Layer w7: R27_U_LED_BUFFER73.2@5000.63,857.16 5000.63,837.16 5030.63,807.16 5146.21,807.16 v1(5151.42,801.95)
L_OUT6_U_LED_BUFFER74: R27_U_LED_BUFFER74.2 U7_U_LED_BUFFER74.13 | length 237.3
  Top Layer w7: U7_U_LED_BUFFER74.13@7104.96,801.14 7147.66,801.14 7149.65,803.13 7150.63,802.15 v1@7150.63,797.16
  Bottom Layer w7: R27_U_LED_BUFFER74.2@7000.63,857.16 7000.63,837.16 7030.63,807.16 7146.21,807.16 v1(7151.42,801.95)
L_OUT6_U_LED_BUFFER81: R27_U_LED_BUFFER81.2 U7_U_LED_BUFFER81.13 | length 806.1
  Top Layer w7: U7_U_LED_BUFFER81.13@1104.96,351.14 1246.91,351.14 1270.63,374.86 v1(1270.63,377.16)
  Bottom Layer w7: v1(1270.63,377.16) 1310.63,377.16 1373.83,440.36 1373.83,452.64 1402.43,481.24 1429.87,508.69 1612.16,508.69 1680.63,577.16 1760.63,577.16 1780.63,557.16 R27_U_LED_BUFFER81.2@1800.63,557.16
L_OUT6_U_LED_BUFFER82: R27_U_LED_BUFFER82.2 U7_U_LED_BUFFER82.13 | length 806.1
  Top Layer w7: U7_U_LED_BUFFER82.13@3104.96,351.14 3246.91,351.14 3270.63,374.86 v1(3270.63,377.16)
  Bottom Layer w7: v1(3270.63,377.16) 3310.63,377.16 3373.83,440.36 3373.83,452.64 3402.43,481.24 3429.87,508.69 3612.16,508.69 3680.63,577.16 3760.63,577.16 3780.63,557.16 R27_U_LED_BUFFER82.2@3800.63,557.16